# Altium PCB keyboard.PcbDoc (part 1 of 3)
Units mil, origin at the board's own origin, x right, y up, seen from the top; angles counter-clockwise.
Board outline 13687.52 x 5395.09 mil, 2 copper layers (Top Layer, Bottom Layer), stack 61.89 mil thick; 91 components, 118 nets, 875 pads, 1755 vias.
Unrouted connection lines stored in the file: 101.
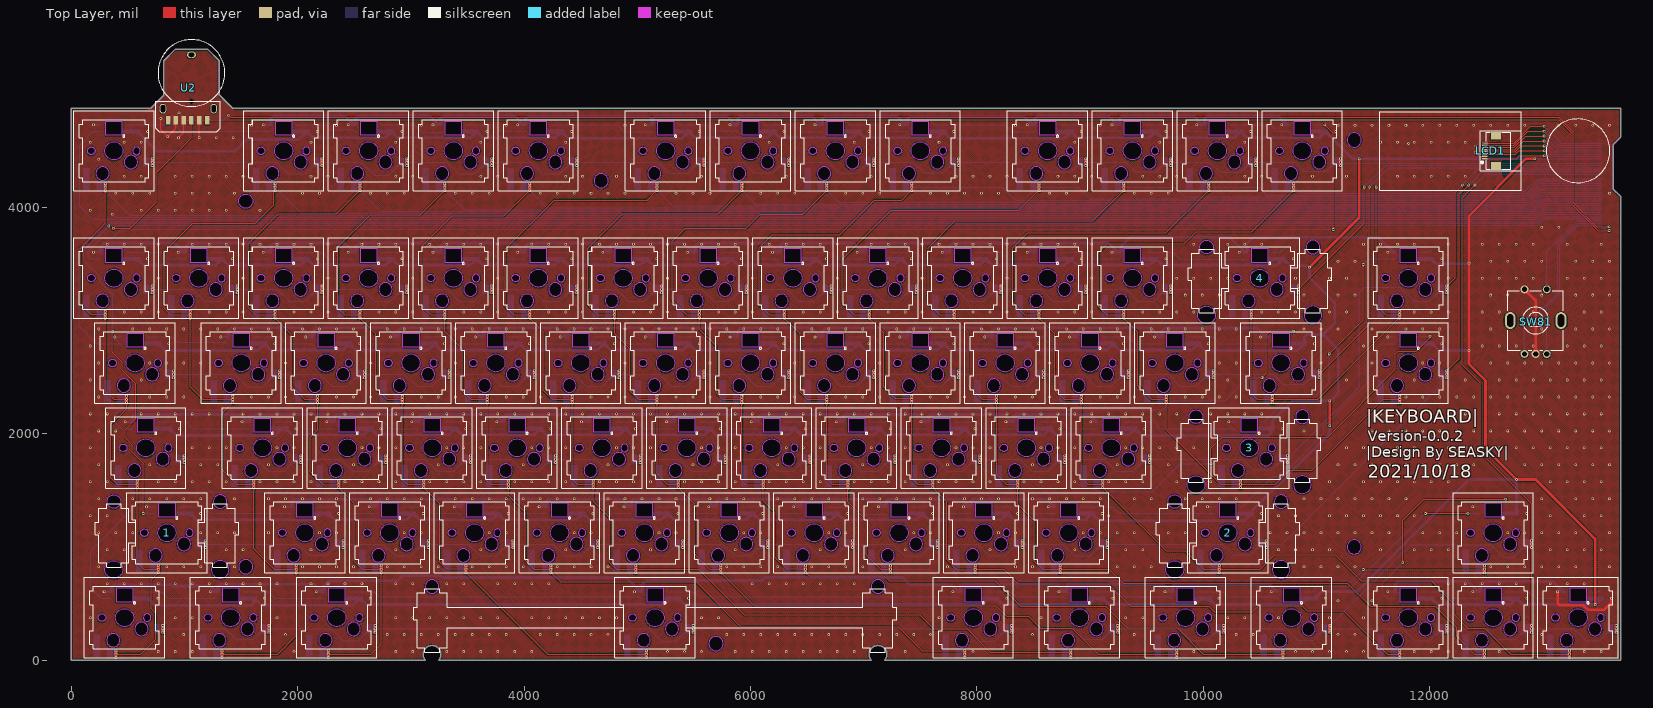
[diagram p0: Top Layer view]
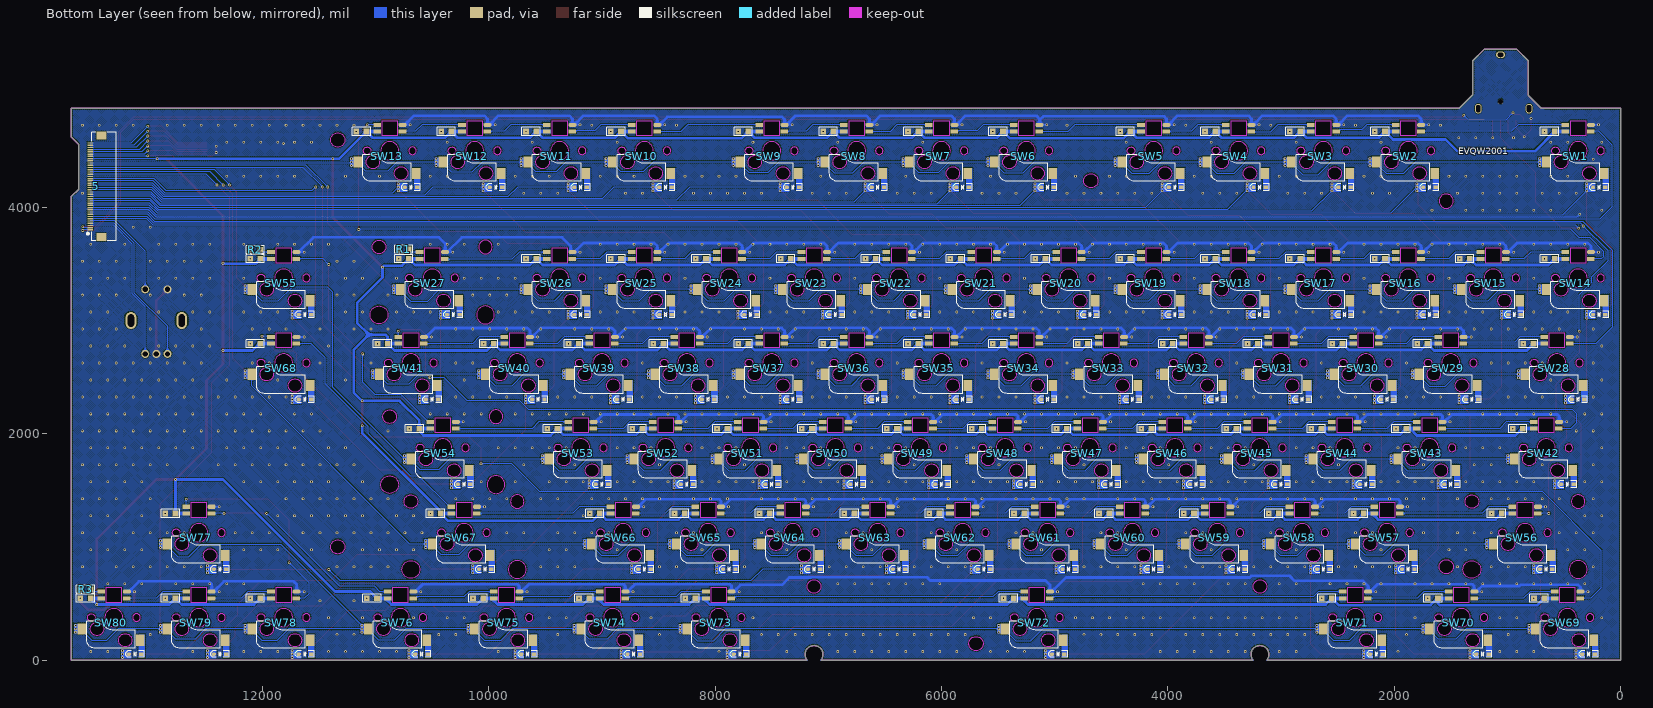
[diagram p1: Bottom Layer view, seen from below]

## Layer stack, top to bottom
Top Solder: solder mask 0.3937, Solder Resist, Dk 3.5
Top Layer: signal copper 1.4173
Dielectric 1: dielectric 59.0551, FR-4, Dk 4.8
Bottom Layer: signal copper 1.4173
Bottom Solder: solder mask 0.3937, Solder Resist, Dk 3.5

## Board outline
0,0 0,4875.01 700.01,4875.01 815,4990 815,5295 915,5395 1205,5395 1305,5295 1305,4995 1424.99,4875.01 13687.52,4875.01 13687.52,4618.77 13623.46,4554.72 13623.46,4160.31 13687.52,4096.25 13687.52,0 7186.67,0 ccw(c7126.2,50.05) 7065.8,-0.09 3246.67,0 ccw(c3186.2,50.05) 3125.8,-0.09
cut-out: 3126.2,650.05 ccw(c3186.2,650.05) 3186.2,590.05 ccw(c3186.2,650.05) 3246.2,650.05 ccw(c3186.2,650.05) 3186.2,710.05 ccw(c3186.2,650.05)
cut-out: 7066.2,650.05 ccw(c7126.2,650.05) 7126.2,590.05 ccw(c7126.2,650.05) 7186.2,650.05 ccw(c7126.2,650.05) 7126.2,710.05 ccw(c7126.2,650.05)
cut-out: 11272.01,999.85 ccw(c11335,999.85) 11335,936.86 ccw(c11335,999.85) 11397.99,999.85 ccw(c11335,999.85) 11335,1062.85 ccw(c11335,999.85)
cut-out: 11272.01,4595 ccw(c11335,4595) 11335,4532.01 ccw(c11335,4595) 11397.99,4595 ccw(c11335,4595) 11335,4657.99 ccw(c11335,4595)
cut-out: 5632.01,145 ccw(c5695,145) 5695,82.01 ccw(c5695,145) 5757.99,145 ccw(c5695,145) 5695,207.99 ccw(c5695,145)
cut-out: 4617.01,4235 ccw(c4680,4235) 4680,4172.01 ccw(c4680,4235) 4742.99,4235 ccw(c4680,4235) 4680,4297.99 ccw(c4680,4235)
cut-out: 1540,3992.01 cw(c1540,4055) 1477.01,4055 cw(c1540,4055) 1540,4117.99 cw(c1540,4055) 1602.99,4055 cw(c1540,4055)
cut-out: 1477.01,825 ccw(c1540,825) 1540,762.01 ccw(c1540,825) 1602.99,825 ccw(c1540,825) 1540,887.99 ccw(c1540,825)

## Design rules (kind name [scope] priority, off if disabled: settings)
BoardOutlineClearance [All] p1: gap=10 ignorepadtopadclearanceinfootprint=FALSE except(0: Arc-SplitContinuation Track-SplitContinuation SMDPad-SplitContinuation THPad-SplitContinuation Via-SplitContinuation Fill-SplitContinuation Poly-SplitContinuation Region-SplitContinuation Text-SplitContinuation)
Clearance [All] p1: gap=6 ignorepadtopadclearanceinfootprint=TRUE except(0: Arc-Hole Track-Hole SMDPad-Hole THPad-Hole Via-Hole Fill-Hole Poly-Hole Region-Hole Text-Hole; 10: Arc-Arc Arc-Track Track-Track)
PlaneConnect [All] p1: planeconnectstyle=Direct reliefexpansion=20 reliefentries=4 reliefconductorwidth=10 reliefairgap=10
PolygonConnect [All] p1: connectstyle=Direct reliefconductorwidth=10 reliefentries=4 polygonreliefangle="90 Angle" airgapwidth=10
RoutingVias [All] p1: holewidth=12 width=24 viastyle="Through Hole" minholewidth=12 minwidth=24 maxholewidth=24 maxwidth=48
SolderMaskExpansion [All] p1: expansion=4 istentingtop=FALSE
Width [All] p1: maxlimit=100 minlimit=6 preferedwidth=10
29 further rules are at their usual default settings.

## Components (designator, comment, footprint, x,y, rotation, side; value= is the part's Value field where it differs from the comment)
1 "MX_支架" 1X2 843.72,1125.03 r0 top locked
2 "MX_支架" 1X2 10218.7,1125.03 r0 top locked
3 "MX_支架" 1X2 10406.2,1875.03 r0 top locked
4 "MX_支架" 1X2 10499.98,3375.03 r0 top locked
5 "FPC1.0-40P" "FPC0.5 2H-WS-40P" 13422.95,4184.89 r90 bottom
LCD1 "FPC1.0-8P" "FPC0.5 2H-WS-8P" 12586.26,4499.85 r90 top
R1 "100R" "R 0805_M" 10751.26,3629.85 r0 bottom
R2 "100R" "R 0805_M" 12063.76,3625.01 r0 bottom
R3 "100R" "R 0805_M" 13563.76,624.85 r0 bottom
SW1 "MX_SW" MX_G_PRO 374.97,4500.01 r0 top locked
SW2 "MX_SW" MX_G_PRO 1874.97,4500.01 r0 top locked
SW3 "MX_SW" MX_G_PRO 2624.97,4500.01 r0 top locked
SW4 "MX_SW" MX_G_PRO 3374.97,4500.01 r0 top locked
SW5 "MX_SW" MX_G_PRO 4124.94,4500.01 r0 top locked
SW6 "MX_SW" MX_G_PRO 5249.98,4500.01 r0 top locked
SW7 "MX_SW" MX_G_PRO 5999.98,4500.01 r0 top locked
SW8 "MX_SW" MX_G_PRO 6749.98,4500.01 r0 top locked
SW9 "MX_SW" MX_G_PRO 7499.98,4500.01 r0 top locked
SW10 "MX_SW" MX_G_PRO 8624.98,4500.01 r0 top locked
SW11 "MX_SW" MX_G_PRO 9374.98,4500.01 r0 top locked
SW12 "MX_SW" MX_G_PRO 10124.98,4500.01 r0 top locked
SW13 "MX_SW" MX_G_PRO 10874.98,4500.01 r0 top locked
SW14 "MX_SW" MX_G_PRO 374.97,3375.03 r0 top locked
SW15 "MX_SW" MX_G_PRO 1124.97,3375.03 r0 top locked
SW16 "MX_SW" MX_G_PRO 1874.97,3375.03 r0 top locked
SW17 "MX_SW" MX_G_PRO 2624.97,3375.03 r0 top locked
SW18 "MX_SW" MX_G_PRO 3374.97,3375.03 r0 top locked
SW19 "MX_SW" MX_G_PRO 4124.94,3375.03 r0 top locked
SW20 "MX_SW" MX_G_PRO 4874.94,3375.03 r0 top locked
SW21 "MX_SW" MX_G_PRO 5624.98,3375.03 r0 top locked
SW22 "MX_SW" MX_G_PRO 6374.98,3375.03 r0 top locked
SW23 "MX_SW" MX_G_PRO 7124.98,3375.03 r0 top locked
SW24 "MX_SW" MX_G_PRO 7874.98,3375.03 r0 top locked
SW25 "MX_SW" MX_G_PRO 8624.98,3375.03 r0 top locked
SW26 "MX_SW" MX_G_PRO 9374.98,3375.03 r0 top locked
SW27 "MX_SW" MX_G_PRO_BACKSPACE 10499.98,3375.03 r0 top locked
SW28 "MX_SW" MX_G_PRO_MX_TAB 562.47,2625.03 r0 top locked
SW29 "MX_SW" MX_G_PRO 1499.97,2625.03 r0 top locked
SW30 "MX_SW" MX_G_PRO 2249.97,2625.03 r0 top locked
SW31 "MX_SW" MX_G_PRO 2999.97,2625.03 r0 top locked
SW32 "MX_SW" MX_G_PRO 3749.97,2625.03 r0 top locked
SW33 "MX_SW" MX_G_PRO 4499.98,2625.03 r0 top locked
SW34 "MX_SW" MX_G_PRO 5249.98,2625.03 r0 top locked
SW35 "MX_SW" MX_G_PRO 5999.98,2625.03 r0 top locked
SW36 "MX_SW" MX_G_PRO 6749.98,2625.03 r0 top locked
SW37 "MX_SW" MX_G_PRO 7499.98,2625.03 r0 top locked
SW38 "MX_SW" MX_G_PRO 8249.98,2625.03 r0 top locked
SW39 "MX_SW" MX_G_PRO 8999.98,2625.03 r0 top locked
SW40 "MX_SW" MX_G_PRO 9749.98,2625.03 r0 top locked
SW41 "MX_SW" MX_G_PRO_MX_TAB 10687.48,2625.03 r0 top locked
SW42 "MX_SW" MX_G_PRO_CAPSLOCK 656.2,1875.03 r0 top locked
SW43 "MX_SW" MX_G_PRO 1687.47,1875.03 r0 top locked
SW44 "MX_SW" MX_G_PRO 2437.47,1875.03 r0 top locked
SW45 "MX_SW" MX_G_PRO 3187.47,1875.03 r0 top locked
SW46 "MX_SW" MX_G_PRO 3937.48,1875.03 r0 top locked
SW47 "MX_SW" MX_G_PRO 4687.48,1875.03 r0 top locked
SW48 "MX_SW" MX_G_PRO 5437.48,1875.03 r0 top locked
SW49 "MX_SW" MX_G_PRO 6187.48,1875.03 r0 top locked
SW50 "MX_SW" MX_G_PRO 6937.48,1875.03 r0 top locked
SW51 "MX_SW" MX_G_PRO 7687.48,1875.03 r0 top locked
SW52 "MX_SW" MX_G_PRO 8437.48,1875.03 r0 top locked
SW53 "MX_SW" MX_G_PRO 9187.48,1875.03 r0 top locked
SW54 "MX_SW" MX_G_PRO_MX_左SHIFT(ENTER) 10406.2,1875.03 r0 top locked
SW55 "MX_SW" MX_G_PRO 11812.48,3375.03 r0 top locked
SW56 "MX_SW" MX_G_PRO_MX_左SHIFT(ENTER) 843.72,1125.03 r0 top locked
SW57 "MX_SW" MX_G_PRO 2062.47,1125.03 r0 top locked
SW58 "MX_SW" MX_G_PRO 2812.47,1125.03 r0 top locked
SW59 "MX_SW" MX_G_PRO 3562.47,1125.03 r0 top locked
SW60 "MX_SW" MX_G_PRO 4312.48,1125.03 r0 top locked
SW61 "MX_SW" MX_G_PRO 5062.48,1125.03 r0 top locked
SW62 "MX_SW" MX_G_PRO 5812.48,1125.03 r0 top locked
SW63 "MX_SW" MX_G_PRO 6562.48,1125.03 r0 top locked
SW64 "MX_SW" MX_G_PRO 7312.48,1125.03 r0 top locked
SW65 "MX_SW" MX_G_PRO 8062.48,1125.03 r0 top locked
SW66 "MX_SW" MX_G_PRO 8812.48,1125.03 r0 top locked
SW67 "MX_SW" MX_G_PRO_MX_右SHIFT 10218.7,1125.03 r0 top
SW68 "MX_SW" MX_G_PRO 11812.48,2625.03 r0 top locked
SW69 "MX_SW" MX_G_PRO_CTRL(WIN)(ALT) 468.72,375.05 r0 top locked
SW70 "MX_SW" MX_G_PRO_CTRL(WIN)(ALT) 1406.19,375.05 r0 top locked
SW71 "MX_SW" MX_G_PRO_CTRL(WIN)(ALT) 2343.72,375.05 r0 top locked
SW72 "MX_SW" MX_G_PRO_MX_空格 5156.2,375.05 r0 top locked
SW73 "MX_SW" MX_G_PRO_CTRL(WIN)(ALT) 7968.72,375.05 r0 top locked
SW74 "MX_SW" MX_G_PRO_CTRL(WIN)(ALT) 8906.2,375.05 r0 top locked
SW75 "MX_SW" MX_G_PRO_CTRL(WIN)(ALT) 9843.72,375.05 r0 top locked
SW76 "MX_SW" MX_G_PRO_CTRL(WIN)(ALT) 10781.2,375.05 r0 top locked
SW77 "MX_SW" MX_G_PRO 12562.48,1125.03 r0 top locked
SW78 "MX_SW" MX_G_PRO 11812.48,375.05 r0 top locked
SW79 "MX_SW" MX_G_PRO 12562.48,375.05 r0 top locked
SW80 "MX_SW" MX_G_PRO 13312.48,375.05 r0 top locked
SW81 "EC11" BOURNS_PEC11R-4XXXF-SXXXX 12937.48,2990.19 r0 top
U2 "EVQW2001" "EVQWK2001 - duplicate" 1060,4785.39 r270 top

## Footprints (in the part's own frame and the unit in brackets; to place one, negate y for a bottom-side part, rotate by r counter-clockwise, add the part's x,y. Pads: shape width x height; smd on the part's side, far side on the other; paste and mask are expansions set on the pad)
1X2 [mil] "stab"
  Keep-Out Layer board cut-out: -470,215 -492.96,219.57 -512.43,232.57 -525.43,252.04 -530,275 -530,275 -525.43,297.96 -512.43,317.43 -492.96,330.43 -470,335 -470,335 -447.04,330.43 -427.57,317.43 -414.57,297.96 -410,275 -410,275 -414.57,252.04 -427.57,232.57 -447.04,219.57 -470,215
  Keep-Out Layer board cut-out: 410,275 414.57,252.04 427.57,232.57 447.04,219.57 470,215 470,215 492.96,219.57 512.43,232.57 525.43,252.04 530,275 530,275 525.43,297.96 512.43,317.43 492.96,330.43 470,335 470,335 447.04,330.43 427.57,317.43 414.57,297.96 410,275
  Keep-Out Layer board cut-out: -470,-403.5 -500.04,-397.52 -525.51,-380.51 -542.52,-355.04 -548.5,-325 -548.5,-325 -542.52,-294.96 -525.51,-269.49 -500.04,-252.48 -470,-246.5 -470,-246.5 -439.96,-252.48 -414.49,-269.49 -397.48,-294.96 -391.5,-325 -391.5,-325 -397.48,-355.04 -414.49,-380.51 -439.96,-397.52 -470,-403.5
  Keep-Out Layer board cut-out: 391.5,-325 397.48,-355.04 414.49,-380.51 439.96,-397.52 470,-403.5 470,-403.5 500.04,-397.52 525.51,-380.51 542.52,-355.04 548.5,-325 548.5,-325 542.52,-294.96 525.51,-269.49 500.04,-252.48 470,-246.5 470,-246.5 439.96,-252.48 414.49,-269.49 397.48,-294.96 391.5,-325
BOURNS_PEC11R-4XXXF-SXXXX [mm]
  round 1.8 hole 1.2: 1(-2.5,7.25) 2(2.5,7.25) A(-2.5,-7.25) B(2.5,-7.25) C(0,-7.25)
  oval 2.4x3.8 hole 1.4 slot 2.8 at 90 deg: MT1(-5.7,0.25) MT2(5.7,0.25)
  silkscreen extent -6.25,-6.45 6.25,6.95, body extent -5.7,-7.43 6.01,7.52, height 24.5
"EVQWK2001 - duplicate" [mm]
  rect 2x1 smd: 1(0.4,3.5) 2(0.4,1.75) 3(0.4,0) 4(0.4,-1.75) 5(0.4,-3.5) 6(0.4,-5.25)
  oval 1.5x2 hole 1 slot 1.2 at 90 deg: 7(-14.3,0)
  oval 2.2x1.5 hole 1 slot 1.6 at 0 deg: 8(-2.2,5) 8(-2.2,-6.4)
  round 1.1 hole 1.1 unplated: ""(-3.8,0)
  silkscreen extent -17.7,-8.03 3.01,7.5, body extent -17.73,-7.4 0.36,7.6, height 5.4
"FPC0.5 2H-WS-8P" [mm] "长：8.2mm，宽：5.2mm，高：2mm 淘宝ID:黄晶宝石   店铺网址:https://shop463601444.taobao.com"
  rect 1.8x2.2 smd: 0(-3.4,0) 0(3.4,0)
  rect 0.3x1.3 smd: 1(-1.75,2.497) 2(-1.25,2.497) 3(-0.75,2.497) 4(-0.25,2.497) 5(0.25,2.497) 6(0.75,2.497) 7(1.25,2.497) 8(1.75,2.497)
  silkscreen extent -4.17,-3.3 4.17,3.23, body extent -4.1,-3.15 4.1,2.85, height 2
"FPC0.5 2H-WS-40P" [mm] "长：24.2mm，宽：5.2mm，高：2mm 淘宝ID:黄晶宝石   店铺网址:https://shop463601444.taobao.com"
  rect 1.8x2.2 smd: 0(-11.4,0) 0(11.4,0)
  rect 0.3x1.3 smd: 1(-9.75,2.497) 2(-9.25,2.497) 3(-8.75,2.497) 4(-8.25,2.497) 5(-7.75,2.497) 6(-7.25,2.497) 7(-6.75,2.497) 8(-6.25,2.497) 9(-5.75,2.497) 10(-5.25,2.497) 11(-4.75,2.497) 12(-4.25,2.497) 13(-3.75,2.497) 14(-3.25,2.497) 15(-2.75,2.497) 16(-2.25,2.497) 17(-1.75,2.497) 18(-1.25,2.497) 19(-0.75,2.497) 20(-0.25,2.497) 21(0.25,2.497) 22(0.75,2.497) 23(1.25,2.497) 24(1.75,2.497) 25(2.25,2.497) 26(2.75,2.497) 27(3.25,2.497) 28(3.75,2.497) 29(4.25,2.497) 30(4.75,2.497) 31(5.25,2.497) 32(5.75,2.497) 33(6.25,2.497) 34(6.75,2.497) 35(7.25,2.497) 36(7.75,2.497) 37(8.25,2.497) 38(8.75,2.497) 39(9.25,2.497) 40(9.75,2.497)
  silkscreen extent -12.17,-3.3 12.17,3.23, body extent -12.1,-3.15 12.1,2.85, height 2
MX_G_PRO [mm]
  rect 1.9x2.5 smd far side: 1(7.188,-2.54) P1(-5.918,-5.08)
  oct 1x0.8 smd far side: 2(-3.35,-8.193)
  rect 1.7x0.9 smd far side: 3(2.85,4.33) 4(2.85,5.83) 6(-2.85,4.33)
  rect 1.27x1.27 smd far side: 3(5.24,4.314) 5(7.526,4.314)
  oct 1.8x0.9 smd far side: 5(-2.9,5.83)
  rect 1x0.8 smd far side: P1(-6.15,-8.193)
  Top Layer region: 8.196,-3.557 8.979,-3.557 8.979,-1.476 8.196,-1.476
  Top Layer region: -2.342,-9.21 -1.559,-9.21 -1.559,-7.129 -2.342,-7.129
  Bottom Layer region: 6.574,-3.557 8.976,-3.557 8.976,-1.463 6.574,-1.463
  Bottom Layer region: 1.963,3.877 5.822,3.877 5.822,4.788 1.963,4.788
  Bottom Layer region: -6.942,-8.832 -5.473,-8.832 -5.473,-3.818 -6.942,-3.818
  Bottom Layer region: -3.964,-9.21 -1.562,-9.21 -1.562,-7.116 -3.964,-7.116
  Bottom Layer lines w0.254: -4.591,5.83 -2.9,5.83
  Keep-Out Layer board cut-out: -4.04,-5.08 -3.926,-5.654 -3.601,-6.141 -3.114,-6.466 -2.54,-6.58 -2.54,-6.58 -1.966,-6.466 -1.479,-6.141 -1.154,-5.654 -1.04,-5.08 -1.04,-5.08 -1.154,-4.506 -1.479,-4.019 -1.966,-3.694 -2.54,-3.58 -2.54,-3.58 -3.114,-3.694 -3.601,-4.019 -3.926,-4.506 -4.04,-5.08
  Keep-Out Layer board cut-out: 2.31,-2.54 2.424,-3.114 2.749,-3.601 3.236,-3.926 3.81,-4.04 3.81,-4.04 4.384,-3.926 4.871,-3.601 5.196,-3.114 5.31,-2.54 5.31,-2.54 5.196,-1.966 4.871,-1.479 4.384,-1.154 3.81,-1.04 3.81,-1.04 3.236,-1.154 2.749,-1.479 2.424,-1.966 2.31,-2.54
  Keep-Out Layer board cut-out: 4.229,0 4.294,-0.326 4.478,-0.602 4.754,-0.786 5.08,-0.851 5.08,-0.851 5.406,-0.786 5.682,-0.602 5.866,-0.326 5.931,0 5.931,0 5.866,0.326 5.682,0.602 5.406,0.786 5.08,0.851 5.08,0.851 4.754,0.786 4.478,0.602 4.294,0.326 4.229,0
  Keep-Out Layer board cut-out: 0,-2.032 -0.778,-1.877 -1.437,-1.437 -1.877,-0.778 -2.032,0 -2.032,0 -1.877,0.778 -1.437,1.437 -0.778,1.877 0,2.032 0,2.032 0.778,1.877 1.437,1.437 1.877,0.778 2.032,0 2.032,0 1.877,-0.778 1.437,-1.437 0.778,-1.877 0,-2.032
  Keep-Out Layer board cut-out: -5.08,-0.851 -5.406,-0.786 -5.682,-0.602 -5.866,-0.326 -5.931,0 -5.931,0 -5.866,0.326 -5.682,0.602 -5.406,0.786 -5.08,0.851 -5.08,0.851 -4.754,0.786 -4.478,0.602 -4.294,0.326 -4.229,0 -4.229,0 -4.294,-0.326 -4.478,-0.602 -4.754,-0.786 -5.08,-0.851
  Keep-Out Layer board cut-out: -1.8,3.48 -1.8,6.68 1.8,6.68 1.8,6.68 1.8,3.48
  silkscreen extent -9.02,-9.02 9.02,9.02, body extent -9,-9 9,9, height 22.5
MX_G_PRO_BACKSPACE [mm]
  rect 1.9x2.5 smd far side: 1(7.188,-2.54) P1(-5.918,-5.08)
  oct 1x0.8 smd far side: 2(-3.35,-8.193)
  rect 1.7x0.9 smd far side: 3(2.85,4.33) 4(2.85,5.83) 6(-2.85,4.33)
  rect 1.27x1.27 smd far side: 3(5.24,4.314) 5(7.526,4.314)
  oct 1.8x0.9 smd far side: 5(-2.9,5.83)
  rect 1x0.8 smd far side: P1(-6.15,-8.193)
  Top Layer region: -2.342,-9.21 -1.559,-9.21 -1.559,-7.129 -2.342,-7.129
  Top Layer region: 8.196,-3.557 8.979,-3.557 8.979,-1.476 8.196,-1.476
  Bottom Layer region: -3.964,-9.21 -1.562,-9.21 -1.562,-7.116 -3.964,-7.116
  Bottom Layer region: 1.963,3.877 5.822,3.877 5.822,4.788 1.963,4.788
  Bottom Layer region: -6.942,-8.832 -5.473,-8.832 -5.473,-3.818 -6.942,-3.818
  Bottom Layer region: 6.574,-3.557 8.976,-3.557 8.976,-1.463 6.574,-1.463
  Bottom Layer lines w0.254: -4.591,5.83 -2.9,5.83
  Keep-Out Layer board cut-out: -4.04,-5.08 -3.926,-5.654 -3.601,-6.141 -3.114,-6.466 -2.54,-6.58 -2.54,-6.58 -1.966,-6.466 -1.479,-6.141 -1.154,-5.654 -1.04,-5.08 -1.04,-5.08 -1.154,-4.506 -1.479,-4.019 -1.966,-3.694 -2.54,-3.58 -2.54,-3.58 -3.114,-3.694 -3.601,-4.019 -3.926,-4.506 -4.04,-5.08
  Keep-Out Layer board cut-out: 2.31,-2.54 2.424,-3.114 2.749,-3.601 3.236,-3.926 3.81,-4.04 3.81,-4.04 4.384,-3.926 4.871,-3.601 5.196,-3.114 5.31,-2.54 5.31,-2.54 5.196,-1.966 4.871,-1.479 4.384,-1.154 3.81,-1.04 3.81,-1.04 3.236,-1.154 2.749,-1.479 2.424,-1.966 2.31,-2.54
  Keep-Out Layer board cut-out: 4.229,0 4.294,-0.326 4.478,-0.602 4.754,-0.786 5.08,-0.851 5.08,-0.851 5.406,-0.786 5.682,-0.602 5.866,-0.326 5.931,0 5.931,0 5.866,0.326 5.682,0.602 5.406,0.786 5.08,0.851 5.08,0.851 4.754,0.786 4.478,0.602 4.294,0.326 4.229,0
  Keep-Out Layer board cut-out: 0,-2.032 -0.778,-1.877 -1.437,-1.437 -1.877,-0.778 -2.032,0 -2.032,0 -1.877,0.778 -1.437,1.437 -0.778,1.877 0,2.032 0,2.032 0.778,1.877 1.437,1.437 1.877,0.778 2.032,0 2.032,0 1.877,-0.778 1.437,-1.437 0.778,-1.877 0,-2.032
  Keep-Out Layer board cut-out: -5.08,-0.851 -5.406,-0.786 -5.682,-0.602 -5.866,-0.326 -5.931,0 -5.931,0 -5.866,0.326 -5.682,0.602 -5.406,0.786 -5.08,0.851 -5.08,0.851 -4.754,0.786 -4.478,0.602 -4.294,0.326 -4.229,0 -4.229,0 -4.294,-0.326 -4.478,-0.602 -4.754,-0.786 -5.08,-0.851
  Keep-Out Layer board cut-out: -1.8,3.48 -1.8,6.68 1.8,6.68 1.8,6.68 1.8,3.48
  silkscreen extent -9.02,-9.02 9.02,9.02, body extent -18.53,-9 18.52,9, height 23.11
MX_G_PRO_CAPSLOCK [mm]
  rect 1.9x2.5 smd far side: 1(7.188,-2.54) P1(-5.918,-5.08)
  oct 1x0.8 smd far side: 2(-3.35,-8.193)
  rect 1.7x0.9 smd far side: 3(2.85,4.33) 4(2.85,5.83) 6(-2.85,4.33)
  rect 1.27x1.27 smd far side: 3(5.24,4.314) 5(7.526,4.314)
  oct 1.8x0.9 smd far side: 5(-2.9,5.83)
  rect 1x0.8 smd far side: P1(-6.15,-8.193)
  Top Layer region: -2.342,-9.21 -1.559,-9.21 -1.559,-7.129 -2.342,-7.129
  Top Layer region: 8.196,-3.557 8.979,-3.557 8.979,-1.476 8.196,-1.476
  Bottom Layer region: -3.964,-9.21 -1.562,-9.21 -1.562,-7.116 -3.964,-7.116
  Bottom Layer region: 1.963,3.877 5.822,3.877 5.822,4.788 1.963,4.788
  Bottom Layer region: -6.942,-8.832 -5.473,-8.832 -5.473,-3.818 -6.942,-3.818
  Bottom Layer region: 6.574,-3.557 8.976,-3.557 8.976,-1.463 6.574,-1.463
  Bottom Layer lines w0.254: -4.591,5.83 -2.9,5.83
  Keep-Out Layer board cut-out: -5.08,-0.851 -5.406,-0.786 -5.682,-0.602 -5.866,-0.326 -5.931,0 -5.931,0 -5.866,0.326 -5.682,0.602 -5.406,0.786 -5.08,0.851 -5.08,0.851 -4.754,0.786 -4.478,0.602 -4.294,0.326 -4.229,0 -4.229,0 -4.294,-0.326 -4.478,-0.602 -4.754,-0.786 -5.08,-0.851
  Keep-Out Layer board cut-out: 0,-2.032 -0.778,-1.877 -1.437,-1.437 -1.877,-0.778 -2.032,0 -2.032,0 -1.877,0.778 -1.437,1.437 -0.778,1.877 0,2.032 0,2.032 0.778,1.877 1.437,1.437 1.877,0.778 2.032,0 2.032,0 1.877,-0.778 1.437,-1.437 0.778,-1.877 0,-2.032
  Keep-Out Layer board cut-out: 4.229,0 4.294,-0.326 4.478,-0.602 4.754,-0.786 5.08,-0.851 5.08,-0.851 5.406,-0.786 5.682,-0.602 5.866,-0.326 5.931,0 5.931,0 5.866,0.326 5.682,0.602 5.406,0.786 5.08,0.851 5.08,0.851 4.754,0.786 4.478,0.602 4.294,0.326 4.229,0
  Keep-Out Layer board cut-out: 2.31,-2.54 2.424,-3.114 2.749,-3.601 3.236,-3.926 3.81,-4.04 3.81,-4.04 4.384,-3.926 4.871,-3.601 5.196,-3.114 5.31,-2.54 5.31,-2.54 5.196,-1.966 4.871,-1.479 4.384,-1.154 3.81,-1.04 3.81,-1.04 3.236,-1.154 2.749,-1.479 2.424,-1.966 2.31,-2.54
  Keep-Out Layer board cut-out: -4.04,-5.08 -3.926,-5.654 -3.601,-6.141 -3.114,-6.466 -2.54,-6.58 -2.54,-6.58 -1.966,-6.466 -1.479,-6.141 -1.154,-5.654 -1.04,-5.08 -1.04,-5.08 -1.154,-4.506 -1.479,-4.019 -1.966,-3.694 -2.54,-3.58 -2.54,-3.58 -3.114,-3.694 -3.601,-4.019 -3.926,-4.506 -4.04,-5.08
  Keep-Out Layer board cut-out: -1.8,3.48 -1.8,6.68 1.8,6.68 1.8,6.68 1.8,3.48
  silkscreen extent -9.02,-9.02 9.02,9.02, body extent -16.13,-9 16.13,9, height 23.11
MX_G_PRO_CTRL(WIN)(ALT) [mm]
  rect 1.9x2.5 smd far side: 1(7.188,-2.54) P1(-5.918,-5.08)
  oct 1x0.8 smd far side: 2(-3.35,-8.193)
  rect 1.7x0.9 smd far side: 3(2.85,4.33) 4(2.85,5.83) 6(-2.85,4.33)
  rect 1.27x1.27 smd far side: 3(5.24,4.314) 5(7.526,4.314)
  oct 1.8x0.9 smd far side: 5(-2.9,5.83)
  rect 1x0.8 smd far side: P1(-6.15,-8.193)
  Top Layer region: -2.342,-9.21 -1.559,-9.21 -1.559,-7.129 -2.342,-7.129
  Top Layer region: 8.196,-3.557 8.979,-3.557 8.979,-1.476 8.196,-1.476
  Bottom Layer region: -3.964,-9.21 -1.562,-9.21 -1.562,-7.116 -3.964,-7.116
  Bottom Layer region: 1.963,3.877 5.822,3.877 5.822,4.788 1.963,4.788
  Bottom Layer region: -6.942,-8.832 -5.473,-8.832 -5.473,-3.818 -6.942,-3.818
  Bottom Layer region: 6.574,-3.557 8.976,-3.557 8.976,-1.463 6.574,-1.463
  Bottom Layer lines w0.254: -4.591,5.83 -2.9,5.83
  Keep-Out Layer board cut-out: -5.08,-0.851 -5.406,-0.786 -5.682,-0.602 -5.866,-0.326 -5.931,0 -5.931,0 -5.866,0.326 -5.682,0.602 -5.406,0.786 -5.08,0.851 -5.08,0.851 -4.754,0.786 -4.478,0.602 -4.294,0.326 -4.229,0 -4.229,0 -4.294,-0.326 -4.478,-0.602 -4.754,-0.786 -5.08,-0.851
  Keep-Out Layer board cut-out: 0,-2.032 -0.778,-1.877 -1.437,-1.437 -1.877,-0.778 -2.032,0 -2.032,0 -1.877,0.778 -1.437,1.437 -0.778,1.877 0,2.032 0,2.032 0.778,1.877 1.437,1.437 1.877,0.778 2.032,0 2.032,0 1.877,-0.778 1.437,-1.437 0.778,-1.877 0,-2.032
  Keep-Out Layer board cut-out: 4.229,0 4.294,-0.326 4.478,-0.602 4.754,-0.786 5.08,-0.851 5.08,-0.851 5.406,-0.786 5.682,-0.602 5.866,-0.326 5.931,0 5.931,0 5.866,0.326 5.682,0.602 5.406,0.786 5.08,0.851 5.08,0.851 4.754,0.786 4.478,0.602 4.294,0.326 4.229,0
  Keep-Out Layer board cut-out: 2.31,-2.54 2.424,-3.114 2.749,-3.601 3.236,-3.926 3.81,-4.04 3.81,-4.04 4.384,-3.926 4.871,-3.601 5.196,-3.114 5.31,-2.54 5.31,-2.54 5.196,-1.966 4.871,-1.479 4.384,-1.154 3.81,-1.04 3.81,-1.04 3.236,-1.154 2.749,-1.479 2.424,-1.966 2.31,-2.54
  Keep-Out Layer board cut-out: -4.04,-5.08 -3.926,-5.654 -3.601,-6.141 -3.114,-6.466 -2.54,-6.58 -2.54,-6.58 -1.966,-6.466 -1.479,-6.141 -1.154,-5.654 -1.04,-5.08 -1.04,-5.08 -1.154,-4.506 -1.479,-4.019 -1.966,-3.694 -2.54,-3.58 -2.54,-3.58 -3.114,-3.694 -3.601,-4.019 -3.926,-4.506 -4.04,-5.08
  Keep-Out Layer board cut-out: -1.8,3.48 -1.8,6.68 1.8,6.68 1.8,6.68 1.8,3.48
  silkscreen extent -9.02,-9.02 9.02,9.02, body extent -11.36,-9 11.36,9, height 22.5
MX_G_PRO_MX_TAB [mm]
  rect 1.9x2.5 smd far side: 1(7.188,-2.54) P1(-5.918,-5.08)
  oct 1x0.8 smd far side: 2(-3.35,-8.193)
  rect 1.7x0.9 smd far side: 3(2.85,4.33) 4(2.85,5.83) 6(-2.85,4.33)
  rect 1.27x1.27 smd far side: 3(5.24,4.314) 5(7.526,4.314)
  oct 1.8x0.9 smd far side: 5(-2.9,5.83)
  rect 1x0.8 smd far side: P1(-6.15,-8.193)
  Top Layer region: -2.342,-9.21 -1.559,-9.21 -1.559,-7.129 -2.342,-7.129
  Top Layer region: 8.196,-3.557 8.979,-3.557 8.979,-1.476 8.196,-1.476
  Bottom Layer region: -3.964,-9.21 -1.562,-9.21 -1.562,-7.116 -3.964,-7.116
  Bottom Layer region: 1.963,3.877 5.822,3.877 5.822,4.788 1.963,4.788
  Bottom Layer region: -6.942,-8.832 -5.473,-8.832 -5.473,-3.818 -6.942,-3.818
  Bottom Layer region: 6.574,-3.557 8.976,-3.557 8.976,-1.463 6.574,-1.463
  Bottom Layer lines w0.254: -4.591,5.83 -2.9,5.83
  Keep-Out Layer board cut-out: -5.08,-0.851 -5.406,-0.786 -5.682,-0.602 -5.866,-0.326 -5.931,0 -5.931,0 -5.866,0.326 -5.682,0.602 -5.406,0.786 -5.08,0.851 -5.08,0.851 -4.754,0.786 -4.478,0.602 -4.294,0.326 -4.229,0 -4.229,0 -4.294,-0.326 -4.478,-0.602 -4.754,-0.786 -5.08,-0.851
  Keep-Out Layer board cut-out: 0,-2.032 -0.778,-1.877 -1.437,-1.437 -1.877,-0.778 -2.032,0 -2.032,0 -1.877,0.778 -1.437,1.437 -0.778,1.877 0,2.032 0,2.032 0.778,1.877 1.437,1.437 1.877,0.778 2.032,0 2.032,0 1.877,-0.778 1.437,-1.437 0.778,-1.877 0,-2.032
  Keep-Out Layer board cut-out: 4.229,0 4.294,-0.326 4.478,-0.602 4.754,-0.786 5.08,-0.851 5.08,-0.851 5.406,-0.786 5.682,-0.602 5.866,-0.326 5.931,0 5.931,0 5.866,0.326 5.682,0.602 5.406,0.786 5.08,0.851 5.08,0.851 4.754,0.786 4.478,0.602 4.294,0.326 4.229,0
  Keep-Out Layer board cut-out: 2.31,-2.54 2.424,-3.114 2.749,-3.601 3.236,-3.926 3.81,-4.04 3.81,-4.04 4.384,-3.926 4.871,-3.601 5.196,-3.114 5.31,-2.54 5.31,-2.54 5.196,-1.966 4.871,-1.479 4.384,-1.154 3.81,-1.04 3.81,-1.04 3.236,-1.154 2.749,-1.479 2.424,-1.966 2.31,-2.54
  Keep-Out Layer board cut-out: -4.04,-5.08 -3.926,-5.654 -3.601,-6.141 -3.114,-6.466 -2.54,-6.58 -2.54,-6.58 -1.966,-6.466 -1.479,-6.141 -1.154,-5.654 -1.04,-5.08 -1.04,-5.08 -1.154,-4.506 -1.479,-4.019 -1.966,-3.694 -2.54,-3.58 -2.54,-3.58 -3.114,-3.694 -3.601,-4.019 -3.926,-4.506 -4.04,-5.08
  Keep-Out Layer board cut-out: -1.8,3.48 -1.8,6.68 1.8,6.68 1.8,6.68 1.8,3.48
  silkscreen extent -9.02,-9.02 9.02,9.02, body extent -13.76,-9 13.76,9, height 23.11
MX_G_PRO_MX_右SHIFT [mm]
  rect 1.9x2.5 smd far side: 1(7.188,-2.54) P1(-5.918,-5.08)
  oct 1x0.8 smd far side: 2(-3.35,-8.193)
  rect 1.7x0.9 smd far side: 3(2.85,4.33) 4(2.85,5.83) 6(-2.85,4.33)
  rect 1.27x1.27 smd far side: 3(5.24,4.314) 5(7.526,4.314)
  oct 1.8x0.9 smd far side: 5(-2.9,5.83)
  rect 1x0.8 smd far side: P1(-6.15,-8.193)
  Top Layer region: -2.342,-9.21 -1.559,-9.21 -1.559,-7.129 -2.342,-7.129
  Top Layer region: 8.196,-3.557 8.979,-3.557 8.979,-1.476 8.196,-1.476
  Bottom Layer region: -3.964,-9.21 -1.562,-9.21 -1.562,-7.116 -3.964,-7.116
  Bottom Layer region: -6.942,-8.832 -5.473,-8.832 -5.473,-3.818 -6.942,-3.818
  Bottom Layer region: 1.963,3.877 5.822,3.877 5.822,4.788 1.963,4.788
  Bottom Layer region: 6.574,-3.557 8.976,-3.557 8.976,-1.463 6.574,-1.463
  Bottom Layer lines w0.254: -4.591,5.83 -2.9,5.83
  Keep-Out Layer board cut-out: -5.08,-0.851 -5.406,-0.786 -5.682,-0.602 -5.866,-0.326 -5.931,0 -5.931,0 -5.866,0.326 -5.682,0.602 -5.406,0.786 -5.08,0.851 -5.08,0.851 -4.754,0.786 -4.478,0.602 -4.294,0.326 -4.229,0 -4.229,0 -4.294,-0.326 -4.478,-0.602 -4.754,-0.786 -5.08,-0.851
  Keep-Out Layer board cut-out: 0,-2.032 -0.778,-1.877 -1.437,-1.437 -1.877,-0.778 -2.032,0 -2.032,0 -1.877,0.778 -1.437,1.437 -0.778,1.877 0,2.032 0,2.032 0.778,1.877 1.437,1.437 1.877,0.778 2.032,0 2.032,0 1.877,-0.778 1.437,-1.437 0.778,-1.877 0,-2.032
  Keep-Out Layer board cut-out: 4.229,0 4.294,-0.326 4.478,-0.602 4.754,-0.786 5.08,-0.851 5.08,-0.851 5.406,-0.786 5.682,-0.602 5.866,-0.326 5.931,0 5.931,0 5.866,0.326 5.682,0.602 5.406,0.786 5.08,0.851 5.08,0.851 4.754,0.786 4.478,0.602 4.294,0.326 4.229,0
  Keep-Out Layer board cut-out: 2.31,-2.54 2.424,-3.114 2.749,-3.601 3.236,-3.926 3.81,-4.04 3.81,-4.04 4.384,-3.926 4.871,-3.601 5.196,-3.114 5.31,-2.54 5.31,-2.54 5.196,-1.966 4.871,-1.479 4.384,-1.154 3.81,-1.04 3.81,-1.04 3.236,-1.154 2.749,-1.479 2.424,-1.966 2.31,-2.54
  Keep-Out Layer board cut-out: -4.04,-5.08 -3.926,-5.654 -3.601,-6.141 -3.114,-6.466 -2.54,-6.58 -2.54,-6.58 -1.966,-6.466 -1.479,-6.141 -1.154,-5.654 -1.04,-5.08 -1.04,-5.08 -1.154,-4.506 -1.479,-4.019 -1.966,-3.694 -2.54,-3.58 -2.54,-3.58 -3.114,-3.694 -3.601,-4.019 -3.926,-4.506 -4.04,-5.08
  Keep-Out Layer board cut-out: -1.8,3.48 -1.8,6.68 1.8,6.68 1.8,6.68 1.8,3.48
  silkscreen extent -9.02,-9.02 9.02,9.02, body extent -25.67,-9 25.67,9, height 23.11
MX_G_PRO_MX_左SHIFT(ENTER) [mm]
  rect 1.9x2.5 smd far side: 1(7.188,-2.54) P1(-5.918,-5.08)
  oct 1x0.8 smd far side: 2(-3.35,-8.193)
  rect 1.7x0.9 smd far side: 3(2.85,4.33) 4(2.85,5.83) 6(-2.85,4.33)
  rect 1.27x1.27 smd far side: 3(5.24,4.314) 5(7.526,4.314)
  oct 1.8x0.9 smd far side: 5(-2.9,5.83)
  rect 1x0.8 smd far side: P1(-6.15,-8.193)
  Top Layer region: 8.196,-3.557 8.979,-3.557 8.979,-1.476 8.196,-1.476
  Top Layer region: -2.342,-9.21 -1.559,-9.21 -1.559,-7.129 -2.342,-7.129
  Bottom Layer region: 6.574,-3.557 8.976,-3.557 8.976,-1.463 6.574,-1.463
  Bottom Layer region: 1.963,3.877 5.822,3.877 5.822,4.788 1.963,4.788
  Bottom Layer region: -6.942,-8.832 -5.473,-8.832 -5.473,-3.818 -6.942,-3.818
  Bottom Layer region: -3.964,-9.21 -1.562,-9.21 -1.562,-7.116 -3.964,-7.116
  Bottom Layer lines w0.254: -4.591,5.83 -2.9,5.83
  Keep-Out Layer board cut-out: -4.04,-5.08 -3.926,-5.654 -3.601,-6.141 -3.114,-6.466 -2.54,-6.58 -2.54,-6.58 -1.966,-6.466 -1.479,-6.141 -1.154,-5.654 -1.04,-5.08 -1.04,-5.08 -1.154,-4.506 -1.479,-4.019 -1.966,-3.694 -2.54,-3.58 -2.54,-3.58 -3.114,-3.694 -3.601,-4.019 -3.926,-4.506 -4.04,-5.08
  Keep-Out Layer board cut-out: 2.31,-2.54 2.424,-3.114 2.749,-3.601 3.236,-3.926 3.81,-4.04 3.81,-4.04 4.384,-3.926 4.871,-3.601 5.196,-3.114 5.31,-2.54 5.31,-2.54 5.196,-1.966 4.871,-1.479 4.384,-1.154 3.81,-1.04 3.81,-1.04 3.236,-1.154 2.749,-1.479 2.424,-1.966 2.31,-2.54
  Keep-Out Layer board cut-out: 4.229,0 4.294,-0.326 4.478,-0.602 4.754,-0.786 5.08,-0.851 5.08,-0.851 5.406,-0.786 5.682,-0.602 5.866,-0.326 5.931,0 5.931,0 5.866,0.326 5.682,0.602 5.406,0.786 5.08,0.851 5.08,0.851 4.754,0.786 4.478,0.602 4.294,0.326 4.229,0
  Keep-Out Layer board cut-out: 0,-2.032 -0.778,-1.877 -1.437,-1.437 -1.877,-0.778 -2.032,0 -2.032,0 -1.877,0.778 -1.437,1.437 -0.778,1.877 0,2.032 0,2.032 0.778,1.877 1.437,1.437 1.877,0.778 2.032,0 2.032,0 1.877,-0.778 1.437,-1.437 0.778,-1.877 0,-2.032
  Keep-Out Layer board cut-out: -5.08,-0.851 -5.406,-0.786 -5.682,-0.602 -5.866,-0.326 -5.931,0 -5.931,0 -5.866,0.326 -5.682,0.602 -5.406,0.786 -5.08,0.851 -5.08,0.851 -4.754,0.786 -4.478,0.602 -4.294,0.326 -4.229,0 -4.229,0 -4.294,-0.326 -4.478,-0.602 -4.754,-0.786 -5.08,-0.851
  Keep-Out Layer board cut-out: -1.8,3.48 -1.8,6.68 1.8,6.68 1.8,6.68 1.8,3.48
  silkscreen extent -9.02,-9.02 9.02,9.02, body extent -20.91,-9 20.91,9, height 23.11
MX_G_PRO_MX_空格 [mm]
  rect 1.9x2.5 smd far side: 1(7.188,-2.54) P1(-5.918,-5.08)
  oct 1x0.8 smd far side: 2(-3.35,-8.193)
  rect 1.7x0.9 smd far side: 3(2.85,4.33) 4(2.85,5.83) 6(-2.85,4.33)
  rect 1.27x1.27 smd far side: 3(5.24,4.314) 5(7.526,4.314)
  oct 1.8x0.9 smd far side: 5(-2.9,5.83)
  rect 1x0.8 smd far side: P1(-6.15,-8.193)
  Top Layer region: 8.196,-3.557 8.979,-3.557 8.979,-1.476 8.196,-1.476
  Top Layer region: -2.342,-9.21 -1.559,-9.21 -1.559,-7.129 -2.342,-7.129
  Bottom Layer region: 6.574,-3.557 8.976,-3.557 8.976,-1.463 6.574,-1.463
  Bottom Layer region: -6.942,-8.832 -5.473,-8.832 -5.473,-3.818 -6.942,-3.818
  Bottom Layer region: 1.963,3.877 5.822,3.877 5.822,4.788 1.963,4.788
  Bottom Layer region: -3.964,-9.21 -1.562,-9.21 -1.562,-7.116 -3.964,-7.116
  Bottom Layer lines w0.254: -4.591,5.83 -2.9,5.83
  Keep-Out Layer board cut-out: -4.04,-5.08 -3.926,-5.654 -3.601,-6.141 -3.114,-6.466 -2.54,-6.58 -2.54,-6.58 -1.966,-6.466 -1.479,-6.141 -1.154,-5.654 -1.04,-5.08 -1.04,-5.08 -1.154,-4.506 -1.479,-4.019 -1.966,-3.694 -2.54,-3.58 -2.54,-3.58 -3.114,-3.694 -3.601,-4.019 -3.926,-4.506 -4.04,-5.08
  Keep-Out Layer board cut-out: 2.31,-2.54 2.424,-3.114 2.749,-3.601 3.236,-3.926 3.81,-4.04 3.81,-4.04 4.384,-3.926 4.871,-3.601 5.196,-3.114 5.31,-2.54 5.31,-2.54 5.196,-1.966 4.871,-1.479 4.384,-1.154 3.81,-1.04 3.81,-1.04 3.236,-1.154 2.749,-1.479 2.424,-1.966 2.31,-2.54
  Keep-Out Layer board cut-out: 4.229,0 4.294,-0.326 4.478,-0.602 4.754,-0.786 5.08,-0.851 5.08,-0.851 5.406,-0.786 5.682,-0.602 5.866,-0.326 5.931,0 5.931,0 5.866,0.326 5.682,0.602 5.406,0.786 5.08,0.851 5.08,0.851 4.754,0.786 4.478,0.602 4.294,0.326 4.229,0
  Keep-Out Layer board cut-out: 0,-2.032 -0.778,-1.877 -1.437,-1.437 -1.877,-0.778 -2.032,0 -2.032,0 -1.877,0.778 -1.437,1.437 -0.778,1.877 0,2.032 0,2.032 0.778,1.877 1.437,1.437 1.877,0.778 2.032,0 2.032,0 1.877,-0.778 1.437,-1.437 0.778,-1.877 0,-2.032
  Keep-Out Layer board cut-out: -5.08,-0.851 -5.406,-0.786 -5.682,-0.602 -5.866,-0.326 -5.931,0 -5.931,0 -5.866,0.326 -5.682,0.602 -5.406,0.786 -5.08,0.851 -5.08,0.851 -4.754,0.786 -4.478,0.602 -4.294,0.326 -4.229,0 -4.229,0 -4.294,-0.326 -4.478,-0.602 -4.754,-0.786 -5.08,-0.851
  Keep-Out Layer board cut-out: -1.8,3.48 -1.8,6.68 1.8,6.68 1.8,6.68 1.8,3.48
  silkscreen extent -9.02,-9.02 9.02,9.02, body extent -59,-9 59,9, height 23.11
"R 0805_M" [mil] "1/8W贴片电阻"
  rect 50x50 smd: 1(-45,0) 2(45,0)
  silkscreen extent -81,-36 81,36, body extent -39,-25 39,25, height 20

## Part data
5: library part FPC-40P, "FPC连接器", BOM名称=FPC连接器, 学习资源=https://lmdzstyle.taobao.com/, 版权归属=黎明电子style
LCD1: library part FPC-8P, "FPC连接器", BOM名称=FPC连接器, 学习资源=https://lmdzstyle.taobao.com/, 版权归属=黎明电子style
R1 R2 R3: library part R, "贴片电阻"
SW1 SW2 SW3 SW4 SW5 SW6 SW7 SW8 SW9 SW10 SW11 SW12 SW13 SW14 SW15 SW16 SW17 SW18 SW19 SW20 SW21 SW22 SW23 SW24 SW25 SW26 SW27 SW28 SW29 SW30 SW31 SW32 SW33 SW34 SW35 SW36 SW37 SW38 SW39 SW40 SW41 SW42 SW43 SW44 SW45 SW46 SW47 SW48 SW49 SW50 SW51 SW52 SW53 SW54 SW55 SW56 SW57 SW58 SW59 SW60 SW61 SW62 SW63 SW64 SW65 SW66 SW67 SW68 SW69 SW70 SW71 SW72 SW73 SW74 SW75 SW76 SW77 SW78 SW79 SW80: library part MX_SW-7, "with Fixation pins  1-Pole w/Diode"
U2: Contributor=jam_dan, spicePre=U, spiceSymbolName=EVQW2001

## Via types
v1: diameter 24, hole 12, Top Layer to Bottom Layer, tented both sides, 1755 vias

## Nets (pads, with @x,y where several pads share a name; then routed paths per layer and width w, separated by ;. In a path a pad name is that pad's centre, name@x,y a point inside that pad or via, vN(x,y) a via of type N, cw(c..) or ccw(c..) an arc to the next point about the centre after c; other vN are vias at no path point)
CS: 5.40 LCD1.8 | length 1156.3
  Top Layer w6: LCD1.8@12487.95,4568.75 12742.5,4568.75 12890.91,4717.16 v1(13013.76,4717.16)
  Bottom Layer w6: v1(13013.76,4717.16) 13162.17,4568.75 5.40@13521.26,4568.75